# Altium PCB LCD_Controller.PcbDoc (part 1 of 2)
Units mm, origin at the board's own origin, x right, y up, seen from the top; angles counter-clockwise.
Board outline 50 x 32.2 mm, 4 copper layers (Top Layer, Signal 1, Signal 2, Bottom Layer), stack 1.586 mm thick; 61 components, 63 nets, 378 pads, 177 vias.
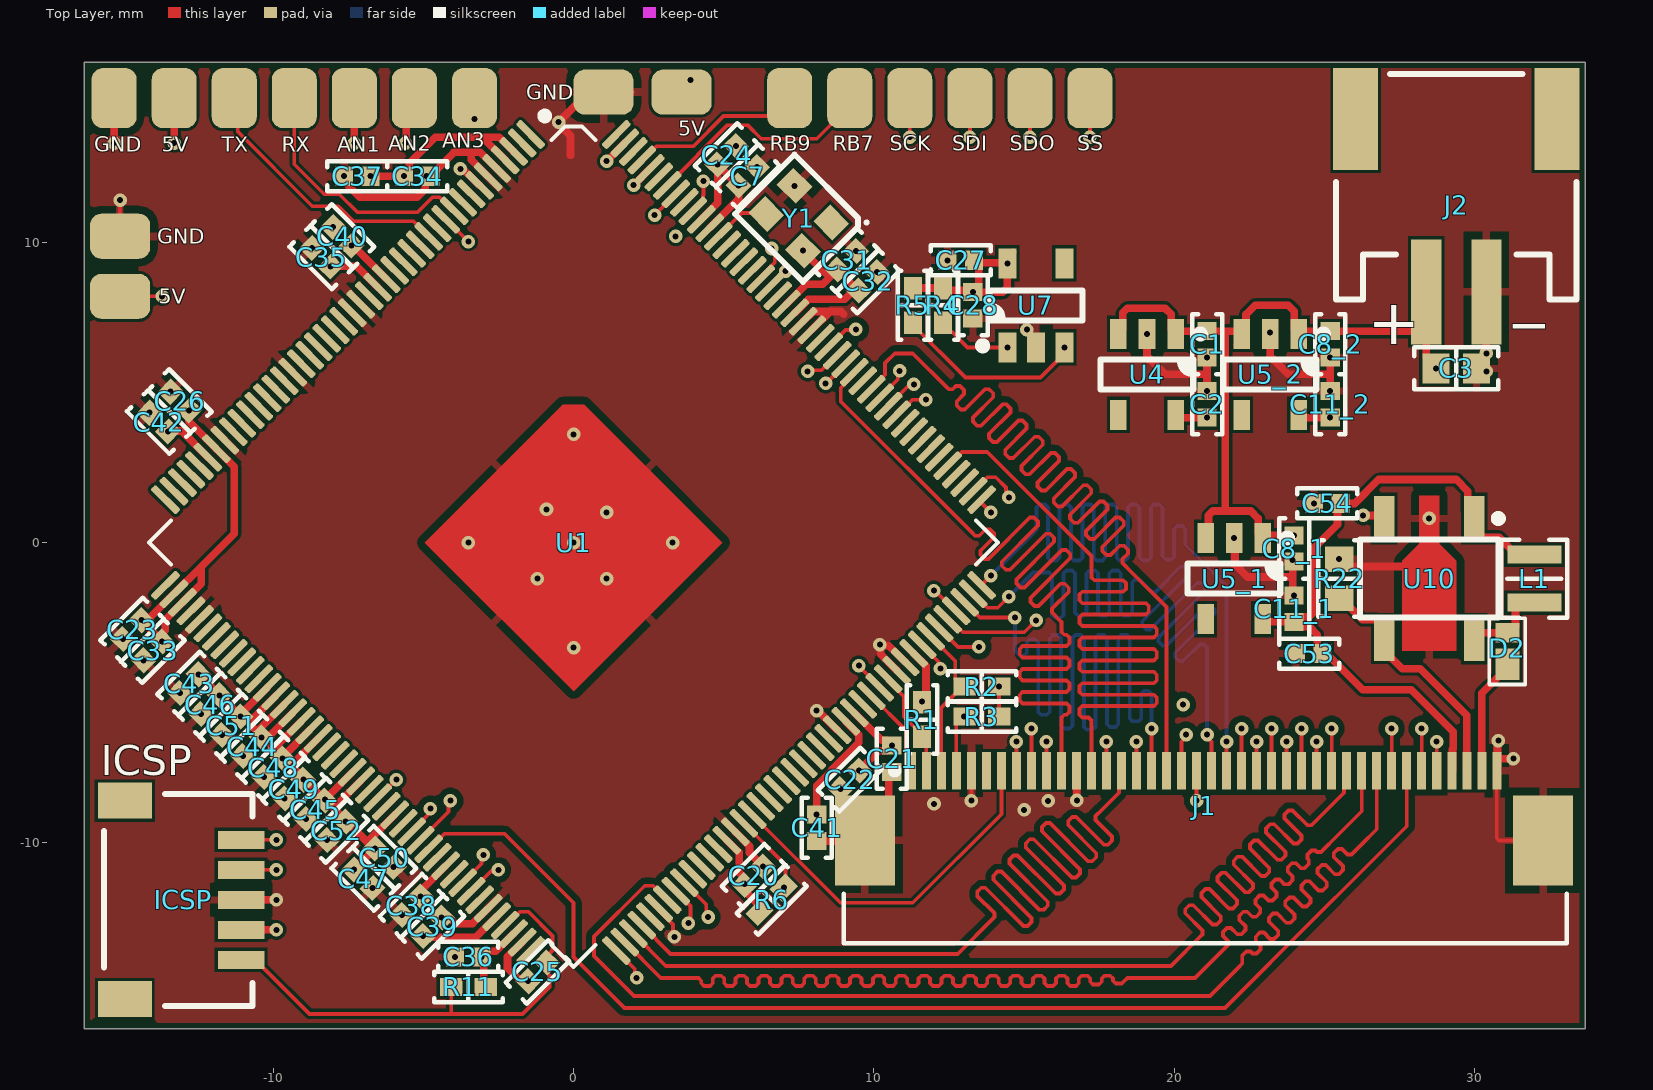
[diagram p0: Top Layer view]
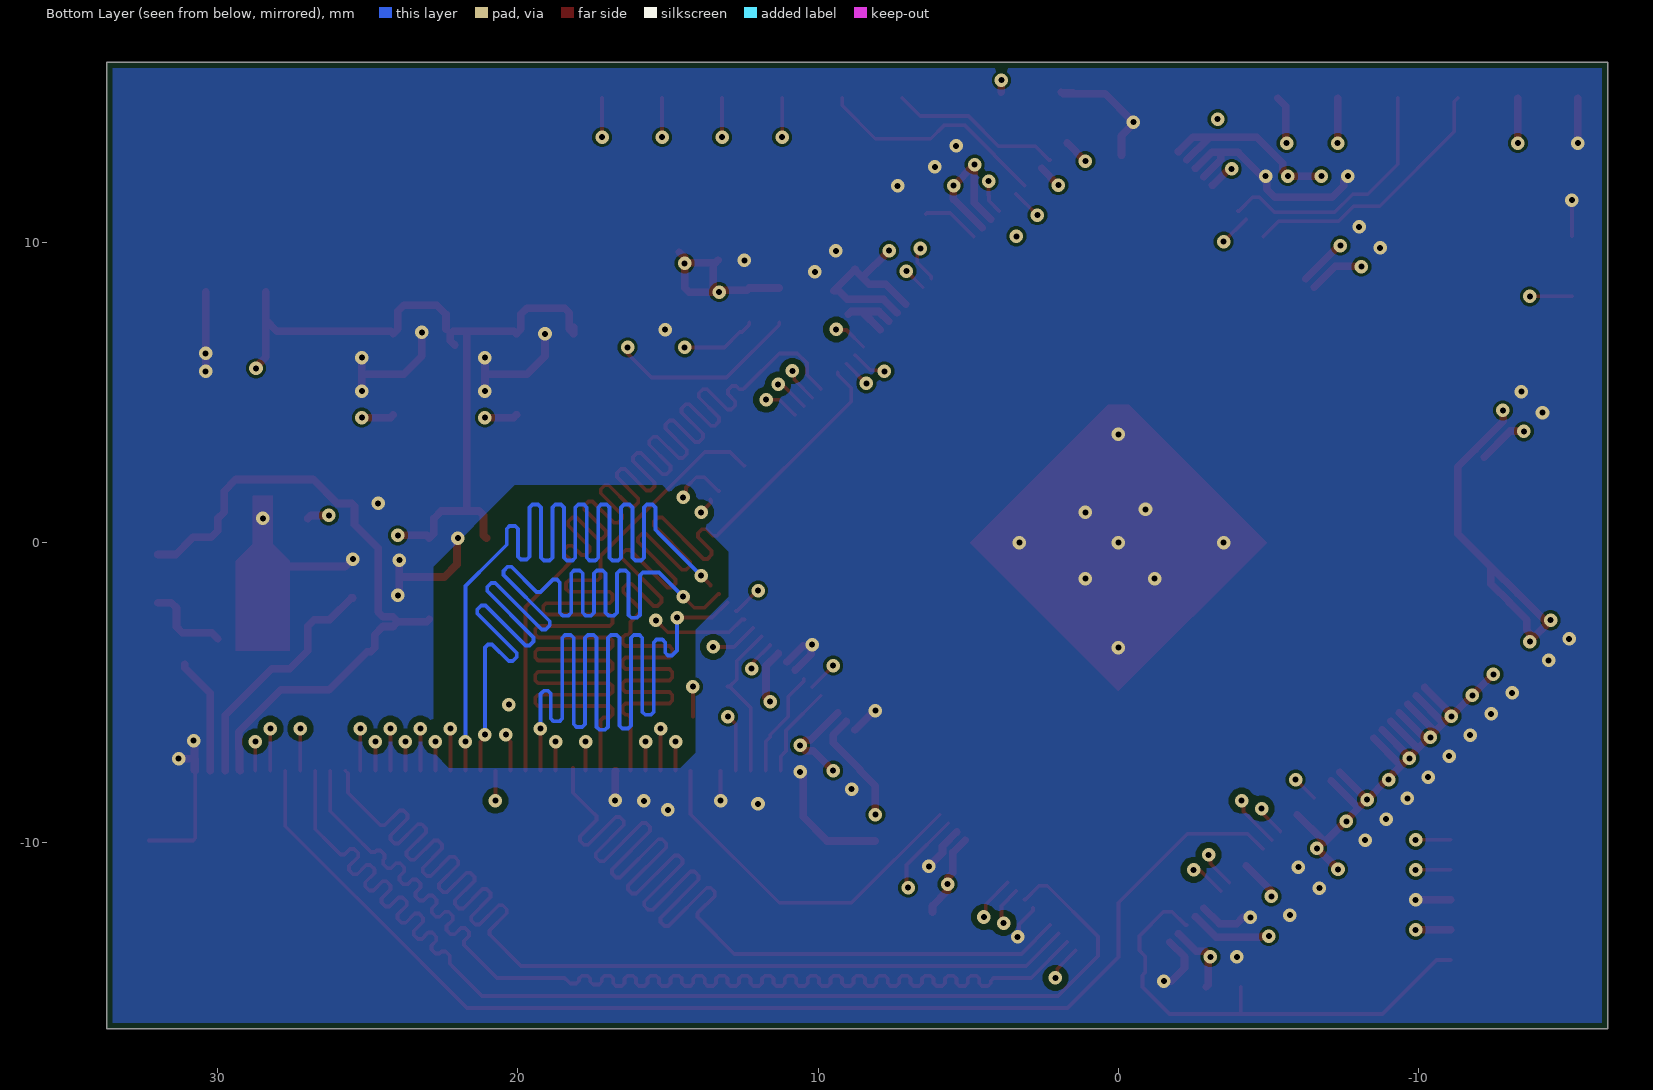
[diagram p1: Bottom Layer view, seen from below]
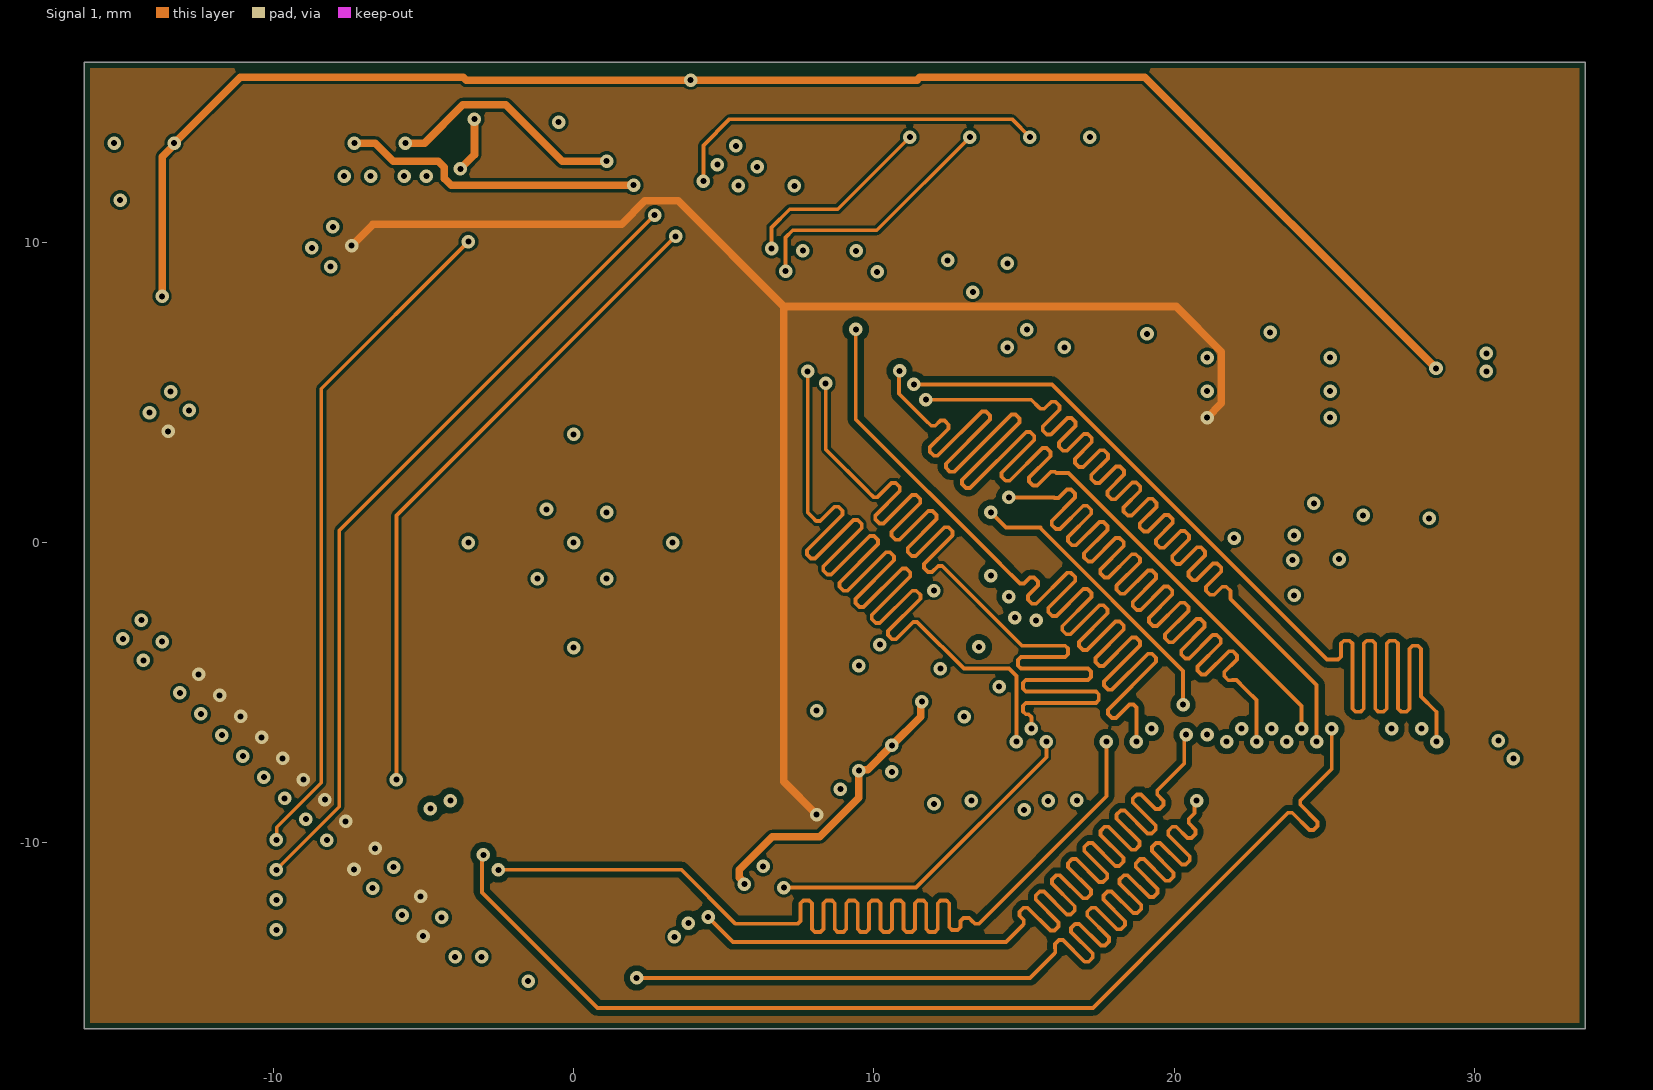
[diagram p2: Signal 1]
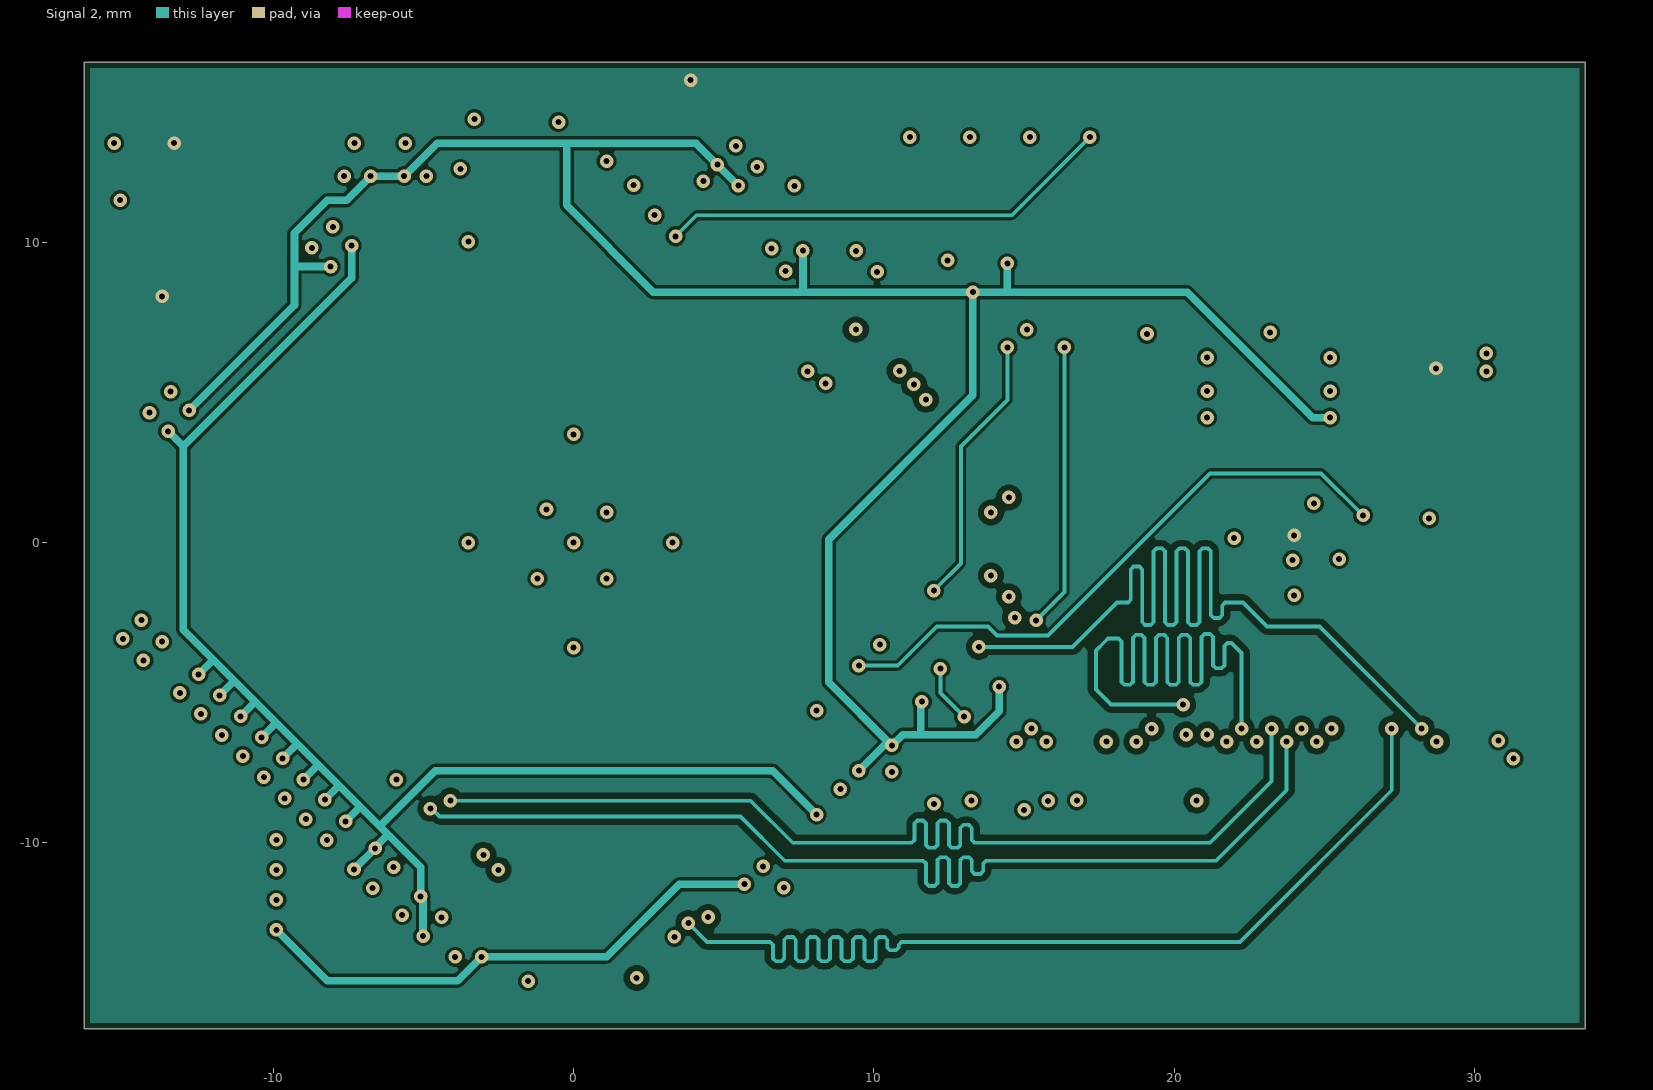
[diagram p3: Signal 2]
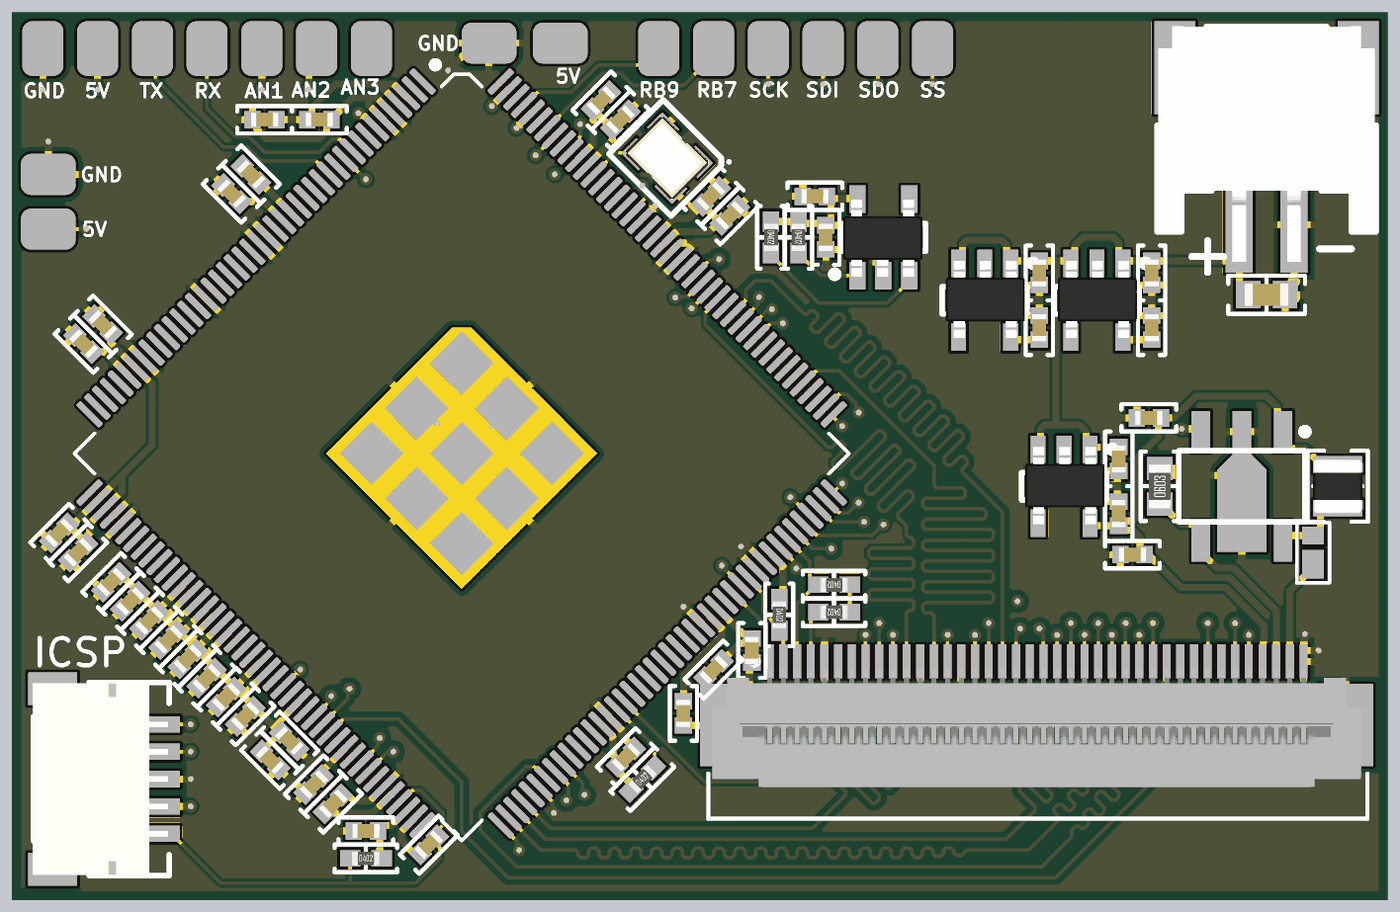
[diagram p5: 3D render of the assembled board from above, using the file's embedded part models]

## Layer stack, top to bottom
Top Solder: solder mask 0.0102, Solder Resist, Dk 3.5
Top Layer: signal copper 0.035
Dielectric 1: prepreg 0.2104, PP-006, Dk 4.1
Signal 1: signal copper 0.0152
Dielectric 3: core 1.065, FR-4, Dk 4.8
Signal 2: signal copper 0.0152
Dielectric 5: prepreg 0.2104, PP-006, Dk 4.1
Bottom Layer: signal copper 0.035
Bottom Solder: solder mask 0.0102, Solder Resist, Dk 3.5

## Board outline
-16.3,-16.2 -16.3,16 33.7,16 33.7,-16.2

## Design rules (kind name [scope] priority, off if disabled: settings)
BoardOutlineClearance [OnCopper] p1: gap=0.2 ignorepadtopadclearanceinfootprint=FALSE
Clearance Clearance_LCD_data [InNetClass('LCD.R[0..7]') OR InNetClass('LCD.G[0..7]') OR InNetClass('LCD.B[0..7]')] p1: gap=0.2 ignorepadtopadclearanceinfootprint=TRUE
Clearance "PolyGon Pour Clearance" [InPolygon] p2: gap=0.1 ignorepadtopadclearanceinfootprint=FALSE
Clearance [All] p3: gap=0.089 ignorepadtopadclearanceinfootprint=TRUE except(0.127: Arc-Via Track-Via SMDPad-Via THPad-Via Via-Via Via-Fill Via-Poly Via-Region Via-Text; 0.25: Arc-Hole Track-Hole SMDPad-Hole THPad-Hole Via-Hole Fill-Hole Poly-Hole Region-Hole Text-Hole)
DiffPairsRouting DiffPairsRouting_USB [InDifferentialPair('USB.D')] p1: maxlimit=0.381 minlimit=0.203 mostfreqgap=0.203 toplayer_minwidth=0.152 toplayer_maxwidth=0.175 toplayer_prefwidth=0.152 midlayer3_minwidth=0.152 midlayer3_maxwidth=0.175 midlayer3_prefwidth=0.152 midlayer6_minwidth=0.152 midlayer6_maxwidth=0.175 midlayer6_prefwidth=0.152 bottomlayer_minwidth=0.152 bottomlayer_maxwidth=0.175 bottomlayer_prefwidth=0.152 maxuncoupledlength=2.54
HoleSize [All] p1: absolutevalues=TRUE maxlimit=6.3 minlimit=0.02 maxpercent=80.000 minpercent=20.000
MatchedLengths MatchedLengths_LCD [InNetClass('LCD.R[0..7]') OR InNetClass('LCD.G[0..7]') OR InNetClass('LCD.B[0..7]') OR InNet('LCD.PCLK') OR InNet('LCD.VSYNC') OR InNet('LCD.HSYNC')] p1: tolerance=0.5 checknetsindiffpair=FALSE checkdiffpairvsdiffpair=TRUE checkxsignals=TRUE checkothers=TRUE
MatchedLengths MatchedLengths_USB [InDifferentialPair('USB.D')] p2: tolerance=0.127 checknetsindiffpair=FALSE checkdiffpairvsdiffpair=TRUE checkxsignals=TRUE checkothers=TRUE
PolygonConnect PolygonRelief [IsPolygon and not (IsNamedPolygon('PolygonDirect'))] p1: thpad.connectstyle=Relief thpad.reliefconductorwidth=0.254 thpad.reliefentries=4 thpad.polygonreliefangle="90 Angle" thpad.airgapwidth=0.254 smdpad.connectstyle=Relief smdpad.reliefconductorwidth=0.254 smdpad.reliefentries=4 smdpad.polygonreliefangle="90 Angle" smdpad.airgapwidth=0.254 via.connectstyle=Direct via.reliefconductorwidth=0.254 via.reliefentries=4 via.polygonreliefangle="90 Angle" via.airgapwidth=0.254
PolygonConnect [All] p2: connectstyle=Direct reliefconductorwidth=0.254 reliefentries=4 polygonreliefangle="90 Angle" airgapwidth=0.254
RoutingVias [All] p1: holewidth=0.2 width=0.45 viastyle="Through Hole" minholewidth=0.2 minwidth=0.45 maxholewidth=0.7 maxwidth=1.27
SolderMaskExpansion [All] p1: expansion=0.102 istentingtop=FALSE
Width [All] p1: maxlimit=0.712 minlimit=0.127 preferedwidth=0.254
28 further rules are at their usual default settings.

## Classes and differential pairs
component class Top: C3 J2
component class U_3V3_LDO_LCD: C8_1 C11_1 U5_1
component class U_3V3_LDO_MCU: C8_2 C11_2 U5_2
component class U_1V8_LDO: C1 C2 U4
net class LCD.R[0..7]: LCD.R0 LCD.R1 LCD.R2 LCD.R3 LCD.R4 LCD.R5 LCD.R6 LCD.R7
net class LCD.G[0..7]: LCD.G0 LCD.G1 LCD.G2 LCD.G3 LCD.G4 LCD.G5 LCD.G6 LCD.G7
net class LCD.B[0..7]: LCD.B0 LCD.B1 LCD.B2 LCD.B3 LCD.B4 LCD.B5 LCD.B6 LCD.B7
component class U_LCD: C53 C54 D2 J1 L1 R22 U10
component class U_PIC32MZDA: C7 C20 C21 C22 C23 C24 C25 C26 C27 C28 C31 C32 C33 C34 C35 C36 C37 C38 C39 C40 C41 C42 C43 C44 C45 C46 C47 C48 C49 C50 C51 C52 ICSP R1 R2 R3 R4 R5 R6 R11 U1 U7 Y1
channel class 3V3_LDO: U_3V3_LDO_LCD U_3V3_LDO_MCU
differential pair USB.D: +USB.D_P -USB.D_N

## Components (designator, comment, footprint, x,y, rotation, side; value= is the part's Value field where it differs from the comment)
C1 "1 µF" "CAP 0402_1005" 21.1,6.6 r90 top
C2 "1 µF" "CAP 0402_1005" 21.1,4.6 r270 top
C3 "0.33 µF" "CAP 0603_1608" 29.4,5.8 r180 top
C7 "0.1 µF" "CAP 0402_1005" 5.8,12.2 r225 top
C8_1 "1 µF" "CAP 0402_1005" 24,-0.2 r90 top (schematic designator C8)
C8_2 "1 µF" "CAP 0402_1005" 25.2,6.6 r90 top (schematic designator C8)
C11_1 "1 µF" "CAP 0402_1005" 24,-2.2 r270 top (schematic designator C11)
C11_2 "1 µF" "CAP 0402_1005" 25.2,4.6 r270 top (schematic designator C11)
C20 "0.1 µF" "CAP 0402_1005" 6,-11.1 r225 top
C21 "0.1 µF" "CAP 0402_1005" 10.6,-7.2 r90 top
C22 "0.1 µF" "CAP 0402_1005" 9.2,-7.9 r45 top
C23 "0.1 µF" "CAP 0402_1005" -14.7,-2.9 r45 top
C24 "0.1 µF" "CAP 0402_1005" 5.1,12.9 r225 top
C25 "0.1 µF" "CAP 0402_1005" -1.2,-14.3 r225 top
C26 "0.1 µF" "CAP 0402_1005" -13.111,4.711 r315 top
C27 "0.1 µF" "CAP 0402_1005" 12.9,9.4 r0 top
C28 "0.1 µF" "CAP 0402_1005" 13.3,7.9 r90 top
C31 "0.1 µF" "CAP 0402_1005" 9.1,9.4 r225 top
C32 "0.1 µF" "CAP 0402_1005" 9.8,8.7 r225 top
C33 "0.1 µF" "CAP 0402_1005" -14.011,-3.611 r45 top
C34 "0.1 µF" "CAP 0402_1005" -5.2,12.2 r180 top
C35 "0.1 µF" "CAP 0402_1005" -8.4,9.5 r315 top
C36 "0.1 µF" "CAP 0402_1005" -3.5,-13.8 r0 top
C37 "0.1 µF" "CAP 0402_1005" -7.2,12.2 r0 top
C38 "0.1 µF" "CAP 0402_1005" -5.4,-12.1 r45 top
C39 "0.1 µF" "CAP 0402_1005" -4.7,-12.8 r225 top
C40 "0.1 µF" "CAP 0402_1005" -7.7,10.2 r315 top
C41 "0.1 µF" "CAP 0402_1005" 8.1,-9.5 r90 top
C42 "0.1 µF" "CAP 0402_1005" -13.811,4.011 r315 top
C43 "0.1 µF" "CAP 0402_1005" -12.8,-4.7 r45 top
C44 "0.1 µF" "CAP 0402_1005" -10.7,-6.8 r45 top
C45 "0.1 µF" "CAP 0402_1005" -8.6,-8.9 r45 top
C46 "0.1 µF" "CAP 0402_1005" -12.1,-5.4 r45 top
C47 "0.1 µF" "CAP 0402_1005" -7,-11.2 r135 top
C48 "0.1 µF" "CAP 0402_1005" -10,-7.5 r45 top
C49 "0.1 µF" "CAP 0402_1005" -9.311,-8.211 r45 top
C50 "0.1 µF" "CAP 0402_1005" -6.3,-10.5 r135 top
C51 "0.1 µF" "CAP 0402_1005" -11.4,-6.1 r45 top
C52 "0.1 µF" "CAP 0402_1005" -7.9,-9.6 r45 top
C53 "1 µF" "CAP 0402_1005" 24.5,-3.7 r0 top
C54 "0.1 µF" "CAP 0402_1005" 25.1,1.3 r0 top
D2 "Diode" "Diode DFN1608D-2 (SOD1608)" 31.1,-3.625 r90 top
ICSP "SM05B-SRSS-TB(LF)(SN)" "JST SM05B-SRSS-TB" -13.1,-11.9 r90 top
J1 "40pin_0.5mm_ZIF" 40pin_0.5mmPitch 21,-7.6 r180 top
J2 "S2B-PH-SM4-TB(LF)(SN)" "JST S2B-PH-SM4-TB" 29.4,12.6 r0 top
L1 "10 µH" "IND 0806_2016" 32,-1.2 r270 top
R1 "10k Ohms" "RES 0402_1005" 11.6,-5.9 r270 top
R2 "4.7k Ohms" "RES 0402_1005" 13.6,-4.8 r180 top
R3 "4.7k Ohms" "RES 0402_1005" 13.6,-5.8 r180 top
R4 "4.7k Ohms" "RES 0402_1005" 12.3,7.9 r270 top
R5 "4.7k Ohms" "RES 0402_1005" 11.3,7.9 r270 top
R6 "10k Ohms" "RES 0402_1005" 6.6,-11.9 r45 top
R11 "10k Ohms" "RES 0402_1005" -3.5,-14.8 r0 top
R22 "15 R" "RES 0603_1608" 25.5,-1.2 r90 top
U1 "PIC32MZxxxxDAx176" QFP40P2200X2200X160-177N 0,0 r225 top
U4 "1.8V LDO" "TI SOT-23-5 DBV" 19.1,5.6 r270 top
U5_1 "MIC5504" "TI SOT-23-5 DBV" 22,-1.2 r270 top (schematic designator U5)
U5_2 "MIC5504" "TI SOT-23-5 DBV" 23.2,5.6 r270 top (schematic designator U5)
U7 "24LC00" SOT-23-5 15.4,7.9 r0 top
U10 "PT4110" SOT-89-5 28.5,-1.2 r180 top
Y1 "27MHz" "ABRACON ASD" 7.5,10.8 r135 top
